# Altium PCB PCB_Kasli.PCBDOC (part 14 of 16) (continued)
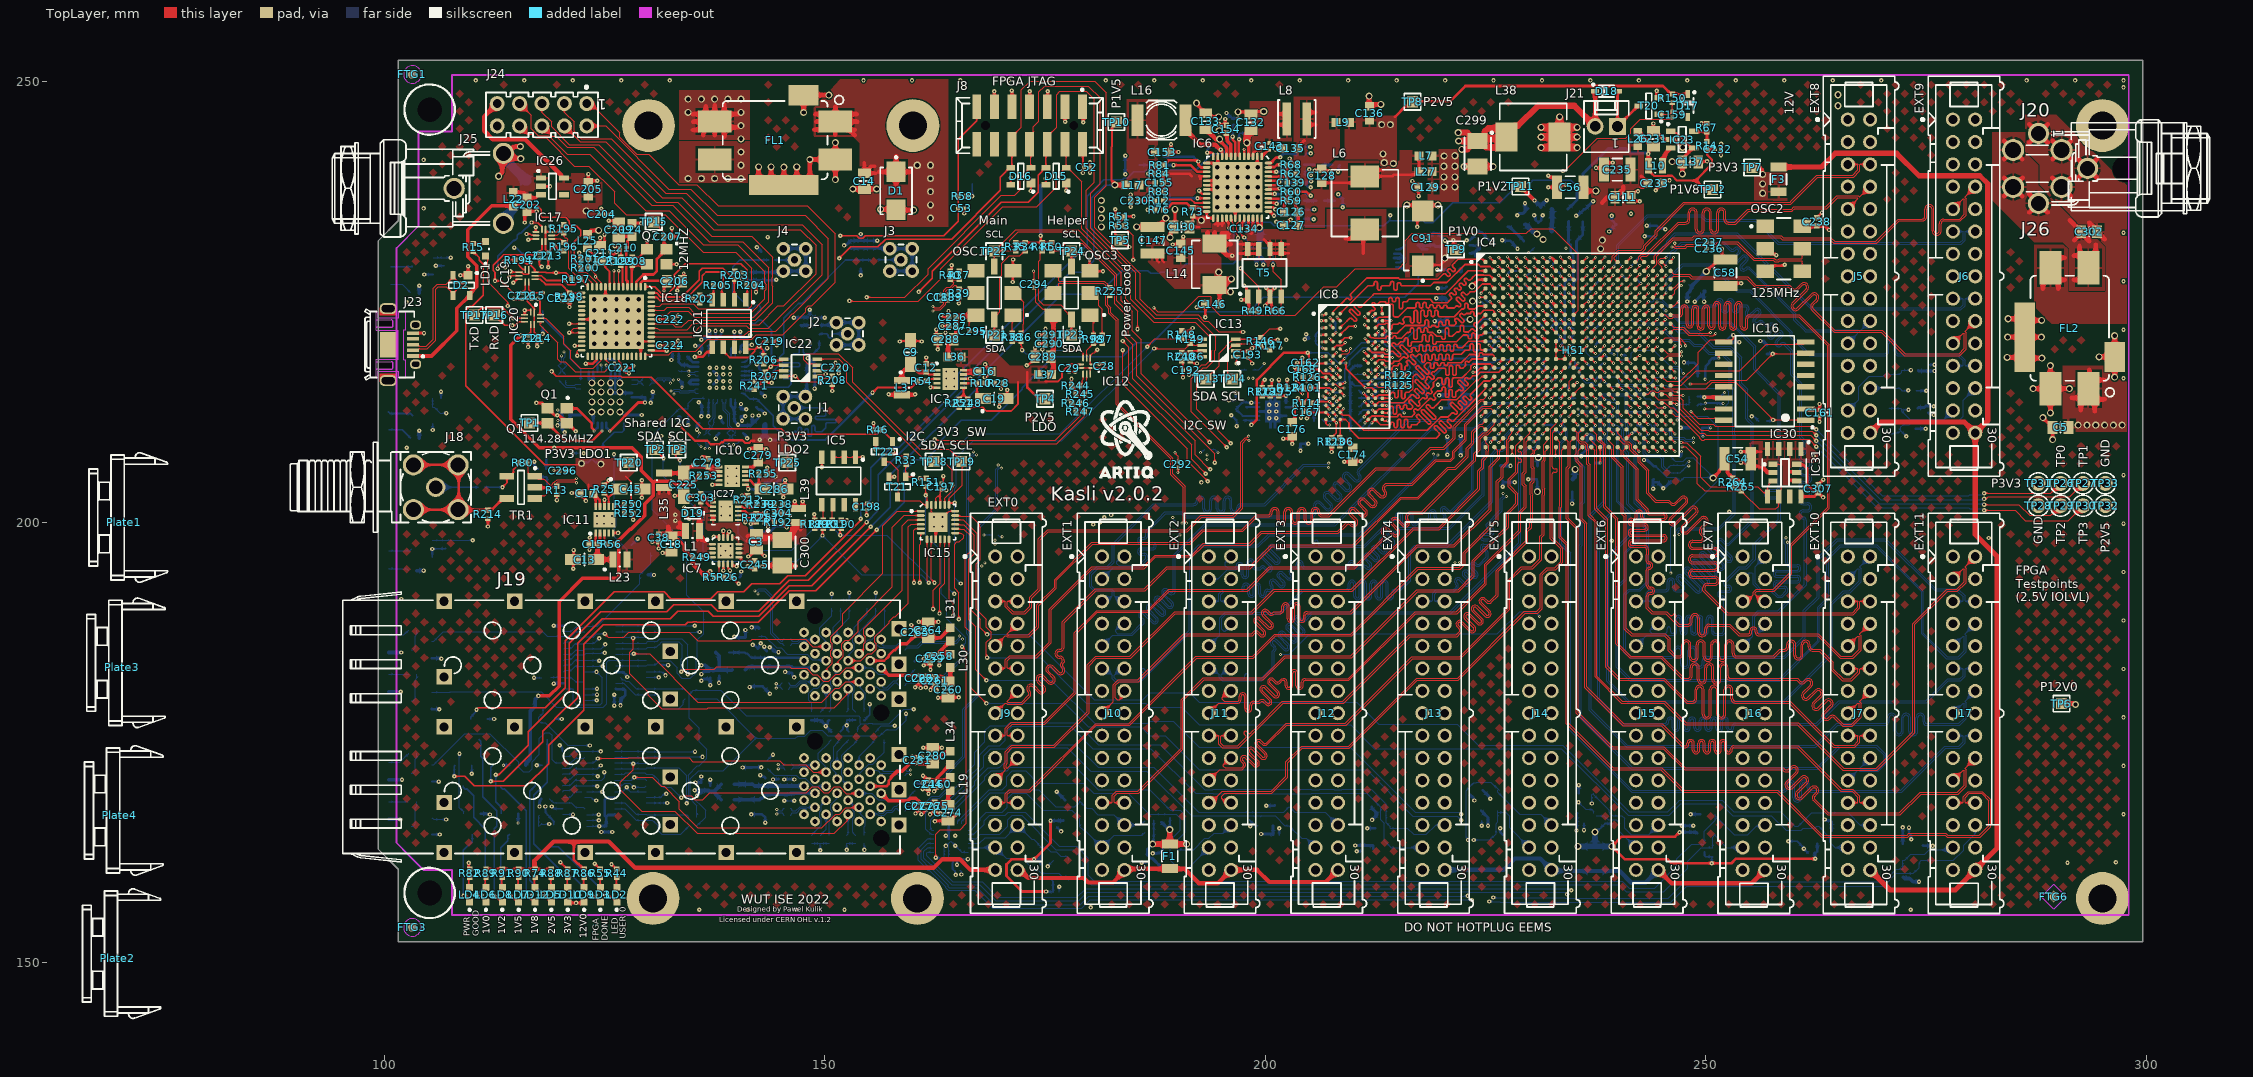
[diagram p0: TopLayer view]
## Nets (pads, with @x,y where several pads share a name; then routed paths per layer and width w, separated by ;. In a path a pad name is that pad's centre, name@x,y a point inside that pad or via, vN(x,y) a via of type N, cw(c..) or ccw(c..) an arc to the next point about the centre after c; other vN are vias at no path point) (continued)
  BottomLayer w0.3: R139.1@118.4,206.07 118.4,207.55 v1(119.3,208.45) ; C87.2@237.48,206.714 v2(238.002,206.714) ; v2(241.606,210.088) 241.711,210.088 C80.2@242.147,210.524 ; v1@242.98,207.019 243.4,207.019 244.069,206.35 C66.2@244.284,206.35 ; v1(247.519,218.125) 247.576,218.068 248.701,218.068 249.063,217.706 R52.1@249.063,216.544
  BottomLayer w0.4: T7.1@116.05,172.4 116.05,172.6 116.6,173.15 116.6,178.57 R57.2@117.03,179 117.12,179.09 117.12,179.868 117.5,180.248 v1(117.5,180.275) ; v1(174.5,232.5) 174.5,238.225 ; v1(222.165,207.564) v1(222.165,209.776) ; C72.2@226.749,206.372 v1(227.83,206.372) ; v1(247.146,210.702) C76.2@247.947,210.702 C76.2@248.097,210.702 ; v1(247.894,225.033) 247.894,225.9 C77.2@248.224,226.23 ; C77.2@248.244,226.25 C77.2@248.224,226.23 ; v3(250.044,228.45) 248.369,226.775 248.369,226.525 248.224,226.38 C77.2@248.224,226.23 ; R96.2@253.044,220.429 v1(253.794,220.429) ; v1(256.194,220.55) 256.489,220.55 R95.2@256.894,220.145
  other v1: 242.98,207.044
  other v3: 214.525,240.7 213.5,240.8 213.357,241.792 213.2,245.1 214.2,245.1
P2V5_LDO: C16.2 C29.2 IC3.9 IC3.10 IC12.6 L36.1 L37.1 R248.2 TP4.1 | length 21.5
  TopLayer w0.2: R248.2@166.25,213.03 167.927,213.03 168.35,212.607 171.157,212.607 171.925,213.375 171.925,215.9 ; 175.004,215.996 175.05,215.95 176.45,215.95 176.925,216.425 176.925,217.025 177.414,217.514 177.464,217.514 177.725,217.775 C29.2@177.725,217.8 177.825,217.9 IC12.6@179.025,217.9
  TopLayer w0.3: IC3.9@165.75,216.75 166,216.75 166.1,216.85 167.14,216.85 167.29,217 167.29,217.005 167.085,217.21 166.949,217.21 166.909,217.25 IC3.10@165.75,217.25 ; 173,217 173,215.25 174.25,214 TP4.1@175,214
P3V3: C28.2 C30.2 C31.2 C32.2 C33.2 C34.2 C35.2 C36.2 C37.2 C39.2 C40.2 C41.2 C42.2 C129.2 C137.2 C160.2 C161.2 C172.2 C178.2 C181.2 C192.2 C196.2 C197.2 C198.2 C199.2 C200.2 C201.2 C203.2 C220.2 C227.2 C244.2 C258.2 C259.2 C266.2 C267.2 C292.2 C294.1 C295.1 C296.2 C297.2 C298.2 C305.2 C306.2 D3.4 D4.4 D5.4 D6.4 D7.4 D8.4 D9.4 D10.4 D11.4 D12.4 D13.4 D14.4 F1.1 F2.1 F3.1 IC5.1 IC5.2 IC5.3 IC5.8 IC9.7 IC9.10 IC12.1 IC12.7 IC12.10 IC14.21 IC15.21 IC15.22 IC16.2 IC22.2 IC23.1 IC23.4 IC24.9 IC24.15 IC25.9 IC28.21 IC28.24 IC29.24 L3.1 L7.2 L19.1 L20.1 L21.1 L27.2 L30.1 L31.1 L32.1 L33.1 L34.1 LD11.2 LD15.2 LD16.2 LD17.2 R11.2 R20.2 R44.2 R55.2 R82.2 R87.2 R127.2 R131.1 R132.1 R133.2 R134.2 R135.2 R136.2 R137.2 R138.2 R144.2 R145.2 R148.2 R149.2 R151.2 R155.2 R156.2 R157.2 R158.2 R159.2 R160.2 R161.2 R162.2 R163.2 R164.2 R165.2 R166.2 R167.2 R168.2 R169.2 R170.2 R171.2 R172.2 R173.2 R174.2 R175.2 R176.2 R178.2 R180.2 R182.2 R183.2 R184.2 R185.2 R186.2 R187.2 R188.2 R189.2 R190.2 R209.2 R217.2 R218.2 R219.2 R226.2 R240.2 R244.2 R245.2 TP7.1 TP31.1 | length 239.3
  TopLayer w0.095: C296.2@120.6,205.8 120.625,205.825 v2(121.05,205.825) ; C295.1@167.125,221.65 167.7,221.65 v2(167.9,221.45) ; v2(173.683,228.486) 173.683,228.417 173.75,228.351 C294.1@173.75,227.35 ; v2(189.759,207.885) 189.808,207.836 189.808,207.767 190.1,207.475 C292.2@190.1,206.9
  TopLayer w0.125: R189.2@148.75,200.22 R189.2@148.85,200.22 148.85,200.85 v1(148.8,200.9) ; IC22.2@149.15,217.175 149.5,217.175 149.688,217.363 150.762,217.363 C220.2@150.9,217.5 150.925,217.5 151.062,217.637 151.062,217.662 151.153,217.753 151.153,218.003 v1(151.225,218.075) ; IC5.3@150.94,207.375 IC5.2@152.21,207.375 IC5.1@153.48,207.375 v1(154.325,207.375) ; R190.2@151.85,200.22 v1(152.53,200.22) ; IC5.8@153.48,201.975 153.515,202.01 v1(155.408,202.01) v1@155.417,202 ; v1(160.78,204.97) R151.2@161.5,204.97 ; IC15.22@162.606,201.951 162.606,202.681 162.85,202.925 163.106,202.925 ; IC12.7@179.025,217.5 IC12.1@180.16,217.5 ; IC12.10@180.125,216.8 180.125,217.465 IC12.1@180.16,217.5 ; v1(182.4,217.5) IC12.1@180.375,217.5 IC12.1@180.16,217.5
  TopLayer w0.2: R82.2@109.601,160.617 v1(109.601,161.324) ; v1(120,161.394) R87.2@120.777,160.617 ; v1(123.9,161.219) R55.2@124.502,160.617 ; v1(125.8,161.182) R44.2@126.365,160.617 ; IC15.21@163.106,201.951 163.106,202.925 163.106,203.431 C197.2@163.35,203.675 ; C197.2@163.25,203.675 C197.2@163.35,203.675 ; v1@163.825,203.637 v1(163.813,203.625) 163.763,203.675 C197.2@163.35,203.675 ; v1(178,216.25) 178,215.53 R244.2@178.03,215.5 178.03,215.48 178.4,215.11 178.4,214.63 R245.2@178.53,214.5 ; R240.2@190.5,218.28 190.65,218.13 C192.2@190.65,217.25 190.655,217.245 190.655,216.415 v1(190.659,216.411) ; R148.2@190.5,221.72 191.364,221.72 ; R149.2@191.5,221.22 191.52,221.22 191.364,221.376 191.364,221.72 ; v1@191.669,222.025 191.364,221.72 ; IC23.1@246.017,244.368 246.217,244.168 246.667,244.168 248.367,242.468 248.518,242.468 IC23.4@248.617,242.468
  TopLayer w0.3: v1(175.125,158.075) 172.4,158.075 170.625,159.85 170.625,161.15 171.2,161.725 v1(173.75,161.725) 175.619,163.594 v1(175.619,166.1) ; v1(247.019,164.8) 246.519,164.3 240.433,164.3 v3(239.331,163.198) 240.779,161.75 245.619,161.75 246.087,161.283 v1(250.656,161.283) 252.902,161.283 253.419,161.8 v1@262.425,161.8 ; C137.2@247.619,240.52 247.71,240.612 C137.2@247.71,241.042 ; C137.2@247.647,241.597 C137.2@247.695,241.55 ; TP7.1@255.25,240.25 256.225,240.25 256.442,240.033 v3(256.442,239.455)
  TopLayer w0.4: v1(157.25,214.5) 157.277,214.5 157.327,214.45 L3.1@158.75,214.45 160.173,214.45 160.223,214.5 v1(160.25,214.5) ; v1(161.1,170.4) 161.119,170.419 161.469,170.419 C244.2@161.75,170.7 ; v1(161.15,171.225) 161.565,170.81 161.64,170.81 C244.2@161.75,170.7 ; v1(161.25,184.5) 161.59,184.84 161.89,184.84 C259.2@162,184.95 162.7,184.95 L31.1@164.25,186.5 ; C160.2@162.75,170.6 C160.2@162.75,170.7 ; C258.2@163,185.1 164.15,185.1 L30.1@164.25,185 ; L19.1@164.25,171 163.95,170.7 C160.2@162.75,170.7 ; L34.1@164.25,172.5 162.75,171 C160.2@162.75,170.7 ; v3(246.175,240.9) 247.31,240.9 C137.2@247.335,240.875 247.33,240.869 247.33,239.53 v3(247.325,239.525) ; C137.2@247.647,241.597 248.518,242.468 248.568,242.518 IC23.4@248.617,242.468 ; IC16.2@261.363,212.838 IC16.2@261.35,212.825 261.425,212.75 C161.2@262.9,212.75 v1(262.9,213.4) ; C244.2@161.75,170.7 C160.2@162.75,170.7
  TopLayer w0.6: v3(187.221,163.452) F1.1@189.157,163.452 ; v3(189.157,165.087) F1.1@189.157,163.452 ; v3(191.071,163.452) F1.1@189.157,163.452
  MidLayer1 w0.3: v1(223.731,168.4) 223.731,168.346 224,168.076 224,168.05
  MidLayer1 w0.5: v1(210.219,163.3) 210.219,163.694 210.225,163.7
  MidLayer2 w0.3: v1(262.425,161.794) 262.75,162.119 262.75,165.5 v1(263.5,166.25)
  BottomLayer w0.095: C297.2@135.6,208.95 135.6,208.9 135.9,208.6 v2(135.95,208.6) ; v2(138.471,208.623) 138.52,208.574 138.651,208.574 138.823,208.402 138.898,208.402 C298.2@139.05,208.25 ; v2(168.058,198.535) 168.072,198.535 168.087,198.55 C199.2@168.95,198.55 ; v2(192.65,207.875) 192.875,208.1 193,208.1 C201.2@193.15,208.25 ; v2(197.083,217.147) 197.092,217.157 197.232,217.157 197.375,217.3 C200.2@197.9,217.3
  BottomLayer w0.125: v1(117,182.325) R132.1@117.905,182.325 ; IC24.15@122.975,165.5 v1(124.4,165.5) ; IC24.9@129.75,168.775 131.425,168.775 C203.2@131.5,168.85 131.5,168.875 131.775,169.15 v1(132,169.15) ; IC25.9@129.75,183.025 131.525,183.025 131.925,182.625 v1(131.925,182.6) 131.918,182.6 v1@131.834,182.684 ; R174.2@143.5,172.97 v1(144.13,173.6) ; R187.2@148.5,163.53 R144.2@149.5,163.53 ; v1(149.5,162.75) R144.2@149.5,163.53 ; R188.2@150.5,163.53 R144.2@149.5,163.53 ; R138.2@150.8,191.17 v1(150.8,191.85) ; v1(154.5,162.8) R218.2@154.5,163.53 ; R186.2@154.8,191.17 R133.2@155.8,191.17 ; R217.2@155.75,176.22 155.77,176.22 156.425,176.875 v1(157.95,176.875) ; v1(155.8,191.975) R133.2@155.8,191.17 ; R185.2@156.8,191.17 R133.2@155.8,191.17
  BottomLayer w0.2: R135.2@154.5,177.53 154.52,177.53 154.71,177.72 154.71,177.74 155.1,178.13 v1(155.1,179.35) ; 164.575,161.391 IC14.21@164.575,161.85 164.556,161.831 164.556,161.363 164.508,161.315 164.508,160.617 164.625,160.5 C196.2@164.65,160.5 164.675,160.5 164.775,160.4 164.775,160.275 164.801,160.249 164.801,160.015 v1(164.858,159.958) ; v1(175.125,158.075) 175.162,158.037 175.863,158.037 C42.2@175.9,158 175.9,159.25 D3.4@175.8,159.35 ; v3@187.339,163.57 R157.2@187.339,166.125 ; v3@189.169,165.099 R159.2@189.169,166.405 ; R161.2@198.219,166.18 198.619,165.78 ; v1(198.294,165.475) 198.314,165.475 198.619,165.78 ; R162.2@199.119,165.53 198.869,165.53 198.619,165.78 ; IC9.7@199.344,212.05 197.424,212.05 R127.2@196.649,212.825 197.544,213.72 C172.2@197.544,213.8 197.794,213.55 v1(198.419,213.55) IC9.10@199.344,213.55 ; v3(237.417,164.833) 237.602,164.833 238.549,165.78 R167.2@239.419,165.78 ; R169.2@249.844,162.598 249.844,162.175 249.989,162.03 R170.2@250.769,162.03 250.656,161.917 v1(250.656,161.283)
  BottomLayer w0.3: v1(117.625,167.725) 117.625,168.239 117.69,168.304 117.69,168.435 R131.1@117.83,168.575 ; v1(124.4,165.5) 125.2,165.5 125.2,166.55 ; IC28.24@126.175,166.825 126.1,166.75 125.4,166.75 125.2,166.55 ; IC28.21@126.175,168.775 126.1,168.7 125.275,168.7 125.025,168.45 125.025,166.725 125.2,166.55 ; IC29.24@126.3,181.075 126.344,181.031 127.243,181.031 127.375,180.899 127.375,180.4 126.9,179.925 126.9,179.9 126.85,179.85 C305.2@126.825,179.85 v1(126.825,179.2) ; R183.2@148.5,177.53 R134.2@149.5,177.53 149.52,177.53 150.087,176.963 150.087,176.863 v1@150.125,176.825 ; R184.2@150.5,177.53 150.48,177.53 150.34,177.39 150.34,177.119 150.125,176.904 v1(150.125,176.85) v1@150.125,176.825 ; R145.2@150.75,176.22 150.73,176.22 v1@150.125,176.825 ; R135.2@154.5,177.53 R135.2@154.528,177.502 ; R136.2@160.25,184.22 160.344,184.314 161.01,184.314 161.196,184.5 v1(161.25,184.5) ; v1(173.75,161.725) 173.76,161.735 174.49,161.735 ; R156.2@174.48,161.19 174.49,161.2 174.49,161.735 ; R155.2@174.5,162.28 174.49,162.27 174.49,161.735 ; v1(175.619,166.1) 177.019,166.1 D4.4@177.069,166.15 ; v3(187.221,163.452) 186.619,162.85 186.619,162.222 186.992,161.85 187.169,161.85 188.169,160.85 D5.4@188.169,160.55 ; R160.2@188.219,165.93 v3@189.05,165.099 ; v1(199.519,164.6) 200.769,164.6 C37.2@200.869,164.5 D6.4@200.869,165.55 ; v1(210.219,163.3) 212.219,163.3 212.269,163.25 D7.4@212.269,162.95 ; R164.2@212.099,167.7 212.099,167.52 212.674,166.945 R163.2@212.674,166.8 212.674,166.755 v1(212.119,166.2) ; R165.2@223.2,168.98 R165.2@223.25,169.03 223.27,169.03 223.692,168.608 223.692,168.438 v1(223.731,168.4) ; D8.4@224.494,167.25 225.269,166.475 C40.2@225.269,166.1 v1(225.269,165.55) ; v1(226.65,165.25) 226.65,164.82 R166.2@226.97,164.5 ; v1(235.319,165) 235.319,166.9 D9.4@235.369,166.95 ; v1(247.019,164.8) 248.919,164.8 D10.4@249.02,164.7 ; C32.2@262.325,162.425 262.337,162.425 C32.2@262.387,162.375 ; v1(262.425,161.794) 262.387,161.833 C32.2@262.387,162.375 ; D12.4@262.65,163.481 262.65,162.631 262.642,162.631 262.487,162.475 262.4,162.475 262.387,162.462 C32.2@262.387,162.375 ; v1(263.5,166.25) 263.554,166.25 263.664,166.14 264.11,166.14 R176.2@264.25,166 R178.2@264.25,164.97 ; D14.4@272.344,163.5 272.344,164.694 C31.2@272.35,164.7 v1(272.35,165.35) ; D13.4@274.037,212.901 274.136,213 274.788,213 274.963,213.175 275.225,213.175 275.25,213.15 v1(275.85,213.15) ; D11.4@274.119,217.2 274.169,217.15 C33.2@275.069,217.15 ; C33.2@275.25,217.15 v1(275.95,217.15)
  BottomLayer w0.4: LD17.2@100.5,166.25 v1(101.825,166.25) ; LD16.2@100.5,170.75 v1(102.025,170.75) ; LD15.2@100.5,180.75 v1(101.875,180.75) ; LD11.2@100.5,185.2 v1(101.925,185.2) ; R226.2@103.72,194.5 v1(104.475,194.5) ; R11.2@103.97,209.5 v1(103.97,210.37) ; R20.2@103.97,226 v1(103.97,226.82) ; R209.2@129.97,194 v1(130.625,194) ; v1(135.225,169.575) 135.252,169.575 135.277,169.55 C267.2@136,169.55 ; v1(135.5,168.95) 135.89,169.34 135.89,169.44 C267.2@136,169.55 ; v1(136,182.75) 136.34,183.09 136.54,183.09 ; v1(136,183.75) 136.45,183.75 C178.2@137,183.2 ; 136.6,183.5 136.6,183.15 136.54,183.09 ; C266.2@137,169.4 C266.2@137,169.425 ; L20.1@137.65,185.2 138.013,184.837 C181.2@138.013,183.238 ; L33.1@138.25,168.5 137.425,169.325 137.425,169.425 ; L32.1@138.25,170.25 137.425,169.425 ; L21.1@139.5,183.25 139.45,183.2 C178.2@137,183.2 ; v1(141.7,188.05) 142.42,188.05 R137.2@142.5,187.97 ; R219.2@160.25,170.47 160.301,170.419 161.081,170.419 v1(161.1,170.4) ; R182.2@272.406,159.68 272.426,159.68 272.559,159.546 273.149,159.546 273.511,159.185 R180.2@273.531,159.185 v1(274.185,159.185) ; C267.2@136,169.55 136.85,169.55 136.975,169.425 C266.2@137,169.425 ; 136.54,183.09 136.89,183.09 C178.2@137,183.2 ; C266.2@137,169.425 137.425,169.425
  BottomLayer w0.6: v3(235.481,163.198) F2.1@237.417,163.198 ; v3(237.417,164.833) F2.1@237.417,163.198 ; v3(239.331,163.198) F2.1@237.417,163.198
  other v1: 191.75,222.025
  other v3: 181.4,233.5 181.4,234.5 181.4,235.5 181.4,236.5 256.442,237.321 220.269,238.047 221.513,238.047 256.442,238.388 220.269,239.19 221.513,239.19 220.269,240.384 221.513,240.384 220.294,241.552 221.513,241.577
P3V3_ADCLK: C190.2 C191.2 C234.2 C239.2 C241.2 C242.2 C243.2 IC1.10 IC1.15 IC1.16 IC1.25 IC1.26 IC1.31 L29.1 | length 19.5
  BottomLayer w0.2: C234.2@136.7,219.975 136.825,220.1 137.05,220.1 C190.2@137.85,220.9 ; C234.2@136.75,220 136.85,219.9 IC1.10@136.85,218.828 ; v1(136.8,212) 136.8,213.576 136.85,213.626 IC1.31@136.85,213.928 ; v1(137.6,221.7) 137.6,221.15 C190.2@137.85,220.9 ; v1(138.3,221.7) 138.286,221.686 138.286,221.336 C190.2@137.85,220.9 ; IC1.15@139.35,218.828 139.35,219.7 C243.2@139.65,220 ; C241.2@139.75,212.8 139.85,212.9 IC1.25@139.85,213.928 ; v1@139.75,221.65 v1(139.75,221.6) 139.75,220.1 C243.2@139.65,220 ; IC1.16@139.85,218.828 139.85,219.8 C243.2@139.65,220
  BottomLayer w0.3: IC1.26@139.35,213.928 139.35,213.2 139.675,212.875 139.675,212.85 139.725,212.8 C241.2@139.75,212.8 C242.2@139.75,212 139.75,211.45 v1(140.156,211.044) 140.21,211.044 140.295,210.96 L29.1@141.49,210.96 ; L29.1@141.406,211.044 L29.1@141.49,210.96 ; v1(141.8,212.1) 141.8,212.046 141.75,211.996 L29.1@141.75,211.1 ; v1(142.5,212.1) 142.462,212.062 142.462,211.812 L29.1@141.75,211.1 ; L29.1@141.49,210.96 L29.1@141.61,210.96 ; L29.1@141.49,210.96 141.55,210.9 L29.1@141.61,210.96 ; L29.1@141.61,210.96 L29.1@141.75,211.1
P3V3_LDO1: C17.2 IC11.9 IC11.10 L2.2 R15.2 R22.1 R250.2 TP20.1 | length 45.4
  TopLayer w0.2: R15.2@110.094,230.696 110.114,230.696 110.777,230.033 110.777,229.723 111.25,229.25 111.25,225.75 109.982,224.482 109.694,224.482 109.25,224.037 109.25,215.475 118.225,206.5 122,206.5 ; 123.2,204.3 123.2,203.8 123.325,203.675 123.375,203.675 C17.2@123.75,203.3 ; C17.2@123.75,203.25 C17.2@123.75,203.3 ; 124.3,204.2 124.3,203.8 124.175,203.675 124.125,203.675 C17.2@123.75,203.3 ; 127.425,205.175 128.05,204.55 128.05,202.17 R250.2@128.22,202
  TopLayer w0.3: IC11.10@124,201.75 124,202.955 124.45,202.505 124.45,202.05 124.5,202 IC11.9@124.5,201.75
  BottomLayer w0.2: v3(122.4,206.65) 122.562,206.65 122.688,206.776 123.171,206.776 L2.2@123.571,207.176 123.971,206.776 124.237,206.776 124.438,206.575 v3(124.6,206.575) 124.631,206.606 124.631,207.266 124.821,207.456 R22.1@124.841,207.456
P3V3_LDO2: C279.2 IC10.9 IC10.10 L29.2 R54.1 R242.2 R254.2 TP25.1 | length 38.2
  TopLayer w0.25: v1(133.5,211) 135.275,209.225 136.675,209.225 137.059,208.841 137.3,208.841 137.316,208.825 138.037,208.825 138.285,209.073 138.423,209.073 138.65,209.3 140.656,209.3 140.975,208.981 141.41,208.981 141.653,209.225 142,209.225 ; IC10.9@141,205.75 141.025,205.775 141.527,205.775 142.05,206.298 C279.2@142.05,206.423 ; IC10.10@141,206.25 141.722,206.25 141.895,206.423 ; v1(155.425,214.7) 156,215.275 159.825,215.275 160.53,215.98 R54.1@160.53,216
  BottomLayer w0.25: R254.2@143.17,204.45 143.184,204.464 143.689,204.464 v1(144.4,205.175) ; v1(143.8,209.325) 150.05,209.325 v1(155.425,214.7)
  BottomLayer w0.5: v1(133.5,211) R242.2@133.5,211.93 ; v1(142.625,209.35) 143.125,209.85 143.125,210.975 L29.2@143.25,211.1 143.275,211.075 143.275,209.85 v1(143.8,209.325)
P3V3_USB: C204.2 C205.2 C213.2 C214.2 C215.2 C219.2 C221.2 C222.2 C223.2 C224.2 IC17.1 IC17.7 IC17.10 IC18.16 IC18.36 IC18.44 IC18.50 IC19.7 IC19.10 IC20.1 IC20.7 IC21.6 IC21.8 IC26.5 J24.9 L24.1 L25.1 R194.2 R195.2 R196.2 R197.2 R198.2 R202.2 R203.2 R204.2 R206.2 R207.2 R241.1 | length 64.9
  TopLayer w0.2: R194.2@115.77,229.7 116.216,229.254 116.525,229.254 117.105,228.674 IC19.10@117.105,228.365 118.337,228.365 118.402,228.3 v1(119.5,228.3) 120.607,228.3 R197.2@121.323,227.584 ; IC19.7@116.405,227.265 116.405,226.337 C215.2@116.713,226.029 ; C214.2@117.348,221.203 117.04,221.511 IC20.7@117.04,222.439 IC20.1@117.04,223.789 117.04,224.235 116.225,225.05 116.225,225.541 C215.2@116.713,226.029 ; v1(117.999,226.029) C215.2@116.713,226.029 ; IC17.1@118.31,233.187 IC17.7@118.31,231.837 118.31,230.909 C213.2@118.618,230.601 119.3,231.283 v1(119.3,231.4) 119.903,230.797 R196.2@120.396,230.797 ; IC17.1@118.329,232.937 IC17.10@119.01,232.937 119.564,232.937 R195.2@120.396,233.769 121.079,233.086 121.125,233.133 v1(121.125,233.175) ; IC18.36@126.615,218.808 126.615,218.285 126.85,218.05 126.85,217.5 C221.2@126.75,217.5 127.161,217.089 127.279,217.089 127.483,216.886 v1(127.781,216.886) ; IC18.44@130.315,220.008 v1(131.318,220.008) C224.2@132.067,220.008 ; IC18.50@130.315,223.008 131.314,223.008 v2(131.318,223.012) C222.2@132.111,223.012 ; v1@135.081,225.456 R202.2@135.753,224.783 ; IC21.6@138.488,219.853 138.488,219.387 139.186,218.689 141.363,218.689 142.05,219.376 142.05,219.531 ; R203.2@139.775,228.47 139.87,228.375 v1(140.65,228.375) ; IC21.8@141.028,219.853 141.028,219.811 141.228,219.611 142.13,219.611 142.469,219.95 v1(142.55,219.95) 143.025,219.475 R206.2@143.025,218.934 ; R207.2@143.235,216.101 143.536,215.8 v1(144,215.8)
  TopLayer w0.3: C223.2@120.142,225.075 121.024,225.075 R198.2@121.031,225.082 ; v1(121.031,224.409) R198.2@121.031,225.082 ; IC18.16@122.415,225.508 121.457,225.508 R198.2@121.031,225.082 ; L24.1@128.143,233.922 v1(129.147,233.922) ; R241.1@142,215.03 142.02,215.03 142.951,215.961 143.095,215.961 R207.2@143.235,216.101 ; R204.2@142.133,226.871 142.2,226.804 v1(142.2,226.1) ; v1(142.55,219.95) 143.05,220.45 143.35,220.45 C219.2@143.396,220.496 ; v1@142.604,219.95 v1@142.725,220.071 ; C219.2@143.371,220.496 C219.2@143.396,220.496 ; C219.2@143.4,220.5 C219.2@143.396,220.496
  TopLayer w0.4: v3(124.331,233.111) 123.474,233.111 L25.1@123.063,232.7 ; L25.1@123.063,232.7 123.015,232.7 L25.1@123.063,232.652 L25.1@123.063,232.7
  TopLayer w0.5: J24.9@112.827,247.498 111.35,246.021 111.35,244.4 112.301,243.449 116.025,243.449 116.025,243.425 120.1,239.35 120.1,239.1 120.15,239.05 IC26.5@120.4,239.05
  other v1: 135.025,225.4
  other v3: 122.936,235.331
P5V0_CLK: C18.2 C38.2 IC7.14 IC27.1 L1.2 L23.1 L35.1 R5.2 R177.2 R192.2 R221.2 R249.2 | length 23.9
  TopLayer w0.25: IC27.1@137.325,202.25 v1(137.325,202.775)
  TopLayer w0.3: 131.2,203.225 131.2,203.7 131.45,203.95 L35.1@131.75,203.95 132.049,203.95 132.299,203.7 132.299,203.276 132.325,203.25 ; C18.2@133,198.4 133,198.175 133.15,198.025 133.375,198.025 134,197.4 134,196.812 134.323,196.489 134.561,196.489 135.03,196.02 R249.2@135.03,196 ; IC7.14@139,198.25 139,198.721 139.145,198.866 v1(139.145,198.92) v1@139.209,198.856 ; v1@141.628,199.751 v1(141.59,199.79) 141.644,199.79 141.745,199.89 142.11,199.89 R221.2@142.25,200.03 ; R192.2@145.22,200 145.36,199.86 145.36,199.715 v1(145.675,199.4)
  TopLayer w0.5: 131.5,198.65 131.56,198.71 132.25,198.71 132.25,199.5 ; C18.2@132.6,198.4 132.875,198.675 133.318,198.675 133.343,198.7 134.05,198.7 L1.2@134.2,198.85 ; 133.375,199.425 134.05,199.425 L1.2@134.2,199.275 ; 133.525,199.95 133.825,199.65 134.05,199.65 134.2,199.5 L1.2@134.2,199.275 ; L1.2@134.2,199 L1.2@134.2,199.275 ; R249.2@135.03,196 135.07,195.96 135.07,195.23 136.53,193.77 R5.2@136.53,193.75 136.57,193.79 136.57,193.991 v1(136.992,194.413)
  BottomLayer w0.25: v1(136.992,194.413) 136.992,194.338 137.395,193.935 137.415,193.935 137.58,193.77 R177.2@137.58,193.75
  BottomLayer w0.3: v1(141.59,199.79) 141.628,199.751 141.628,199.372 142.105,198.895 143.787,198.895 144.42,199.528 145.493,199.528 145.621,199.4 v1(145.675,199.4)
  other v1: 133.05,200.175 133.05,200.825
P12V0: C5.2 C14.2 D1.1 FL1.2 FL2.2 J5.28 J5.29 J6.28 J6.29 J7.28 J7.29 J9.28 J9.29 J10.28 J10.29 J11.28 J11.29 J12.28 J12.29 J13.28 J13.29 J14.28 J14.29 J15.28 J15.29 J16.28 J16.29 J17.28 J17.29 L38.1 L39.1 R74.2 R86.2 R88.2 R89.2 R90.2 R91.2 TP6.1 | length 134.3
  TopLayer w0.3: R89.2@111.464,160.617 R89.2@111.556,160.617 R91.2@113.411,160.617 R90.2@115.267,160.617 117.052,160.617 R74.2@117.122,160.617 R88.2@118.914,160.617 ; 121.525,163.75 121.525,161.676 121.985,161.217 122.069,161.217 122.669,160.617 R86.2@122.689,160.617 R86.2@122.698,160.617
  TopLayer w0.4: v1(146.6,202.35) 146.6,201.75 146.8,201.55 L39.1@147,201.55 147.3,201.55 147.5,201.75 v1(147.5,202.35) ; 154.5,240.8 C14.2@154.5,239.6 C14.2@154.675,239.6 ; 155.7,240.4 155.3,240.4 155.025,240.125 155.025,239.95 C14.2@154.675,239.6 ; 155.8,239.6 C14.2@154.675,239.6
  TopLayer w0.5: R74.2@117.052,160.617 117.052,161.552 119.25,163.75 121.525,163.75 125.5,163.75 128.5,160.75 162.344,160.75 163.352,161.758 165.323,161.758 166.553,160.528 J9.29@169.346,160.528 ; 148.825,244.525 150.284,244.525 FL1.2@151.214,245.455 ; 148.925,246.3 150.369,246.3 FL1.2@151.214,245.455 ; 149.03,245.455 FL1.2@151.214,245.455 ; 151.214,243.961 FL1.2@151.214,245.455 ; 151.214,247.139 FL1.2@151.214,245.455 ; 153.4,244.525 FL1.2@152.794,244.525 ; 153.419,243.9 152.864,244.455 FL1.2@152.794,244.525 ; 153.625,246.3 152.059,246.3 FL1.2@151.214,245.455 ; 153.72,245.455 FL1.2@151.864,245.455 ; 156.187,239.75 D1.1@158.1,239.75 ; 158.1,238.037 D1.1@158.1,239.75 ; 158.1,241.533 D1.1@158.1,239.75 ; 159.717,239.75 D1.1@158.1,239.75 ; TP6.1@290.35,179.4 291.85,179.4 v3(291.95,179.3) ; 291.5,214.1 292.4,214.1 FL2.2@292.55,214.25 ; 292.55,212.675 FL2.2@292.55,214.25 ; 293.527,217.304 FL2.2@293.527,215.277 ; 294.125,212.55 FL2.2@294.125,214.2 ; 295.25,213.925 294.4,213.925 FL2.2@294.125,214.2 ; 295.275,216.125 294.375,216.125 FL2.2@293.527,215.277 ; FL1.2@151.214,245.455 FL1.2@151.864,245.455 ; FL1.2@151.214,245.455 152.144,244.525 FL1.2@152.794,244.525 ; FL1.2@151.864,245.455 FL1.2@152.794,244.525 ; FL2.2@292.55,214.25 FL2.2@293.4,215.1 ; FL2.2@292.55,214.25 292.55,214.3 FL2.2@293.4,215.15 ; FL2.2@293.4,215.1 293.4,214.925 FL2.2@294.125,214.2 ; FL2.2@293.4,215.1 FL2.2@293.4,215.15 ; FL2.2@293.4,215.15 FL2.2@293.527,215.277 ; FL2.2@293.4,215.15 294.125,214.425 FL2.2@294.125,214.2
  TopLayer w0.8: v3(231.3,242.5) 232.55,242.5 L38.1@233.4,243.35 ; v3(231.3,243.7) L38.1@233.4,243.7 ; v3(231.3,244.8) 232.55,244.8 L38.1@233.4,243.95 ; v3(233.4,246) L38.1@233.4,243.95 ; v3(235.4,242.5) 234.25,242.5 L38.1@233.4,243.35 ; v3(235.4,243.7) L38.1@233.4,243.7 ; v3(235.4,244.8) 234.25,244.8 L38.1@233.4,243.95 ; L38.1@233.4,243.35 L38.1@233.4,243.7 ; L38.1@233.4,243.7 L38.1@233.4,243.95
  other v3: 292.25,211 293.25,211 294.25,211 295.25,211 296.25,211 297.25,211 162,234.5 162,236 162,237.5 162,239 160.5,240.5 162,240.5 265,247.25 265,248.5
P12V0_SMPS: C130.2 C131.2 C132.2 C133.2 C299.1 D18.1 IC6.4 IC6.9 IC6.24 IC6.25 IC6.35 IC6.36 J21.2 L38.2 R73.2 | length 50.2
  TopLayer w0.254: C130.2@191.4,233.5 192.5,233.5 ; 191.75,234.25 191.77,234.27 R73.2@191.77,234.734 192.006,234.498 193.35,234.498 ; IC6.24@193.35,235.248 193.35,234.498 ; IC6.25@194.1,234.498 193.35,234.498
  TopLayer w0.3: IC6.35@199.1,234.498 199.1,233.64 v3(199.314,233.426) 199.6,233.712 IC6.36@199.6,234.498
  TopLayer w0.4: v3(194.813,243.454) 194.813,243.261 195.55,242.524 195.55,242.45 195.6,242.4 IC6.9@195.6,241.498 ; IC6.4@198.1,241.498 198.1,242.062 198.125,242.087 198.125,242.521 198.1,242.546 v3@198.1,242.931 ; v3(199.314,233.426) v3@199.314,233.534
  TopLayer w0.5: C133.2@193.25,244.6 194.396,243.454 v3(194.813,243.454) ; J21.2@237.43,244.902 D18.1@237.43,248.9
  TopLayer w0.7: v3(221.9,244.2) 222.925,244.2 C299.1@223.875,243.25 ; v3(221.95,243.25) C299.1@223.875,243.25 ; v3(222.3,242.3) 222.925,242.3 C299.1@223.875,243.25 ; C299.1@224.1,243.25 C299.1@223.875,243.25 ; J21.2@237.43,244.902 235.082,247.25 230.95,247.25 228.675,244.975 228.3,244.975 227.4,244.075 L38.2@227.4,244 ; C299.1@224.588,243.513 224.875,243.8 224.875,244.275 225.3,244.7 226.5,244.7 226.5,244.9 L38.2@227.4,244 ; C299.1@224.588,243.513 224.325,243.25 225.075,242.5 226.5,242.5 227.4,243.4 L38.2@227.4,243.7 ; C299.1@224.588,243.513 227.212,243.513 L38.2@227.4,243.7 ; L38.2@227.4,243.7 L38.2@227.4,244
  TopLayer w0.8: v3(197.9,243.05) 197.9,243.99 C132.2@198.12,244.21
  BottomLayer w0.8: C131.2@199.39,232.04 v3@199.39,233.35
  other v3: 192.75,234.25
RESETN: IC6.20 R51.1 R53.1 T6.1 TP5.1 | length 132
  TopLayer w0.125: TP5.1@183.5,232 184.072,231.428 184.271,231.428 184.474,231.225 v1(184.575,231.225)
  TopLayer w0.2: R53.1@183.013,233.608 182.98,233.575 182.98,232.52 TP5.1@183.5,232 ; v1(185.039,234.696) 183.986,234.696 R51.1@183.967,234.677 ; v1(192.481,237.592) 192.825,237.248 IC6.20@193.35,237.248 ; R53.1@183.285,233.818 183.045,233.578 183.045,233.66 183.203,233.818 R53.1@183.285,233.818 ; R53.1@183.285,233.818 183.6,234.133 183.777,234.31 183.777,234.367 ; 183.777,234.367 183.777,234.487 R51.1@183.967,234.677 ; 183.777,234.367 183.819,234.367 183.967,234.516 R51.1@183.967,234.677
  MidLayer2 w0.2: v1(185.039,234.696) 185.153,234.696 187.25,236.793 187.25,236.907 187.935,237.592 v1(192.481,237.592)
  SignalLayer1 w0.125: v1(108.549,173.699) 108.549,188.766 125.783,206 134.075,206 136.025,207.95 137.25,207.95 139.275,209.975 148.675,209.975 157.95,219.25 160.575,219.25 161.725,220.4 166.175,220.4 177,231.225 v1(184.575,231.225)
  BottomLayer w0.125: v1(108.549,173.699) 108.549,167.601 109.05,167.1 T6.1@109.05,166.9